# Allegro board FEE5_10_30.brd (continued)
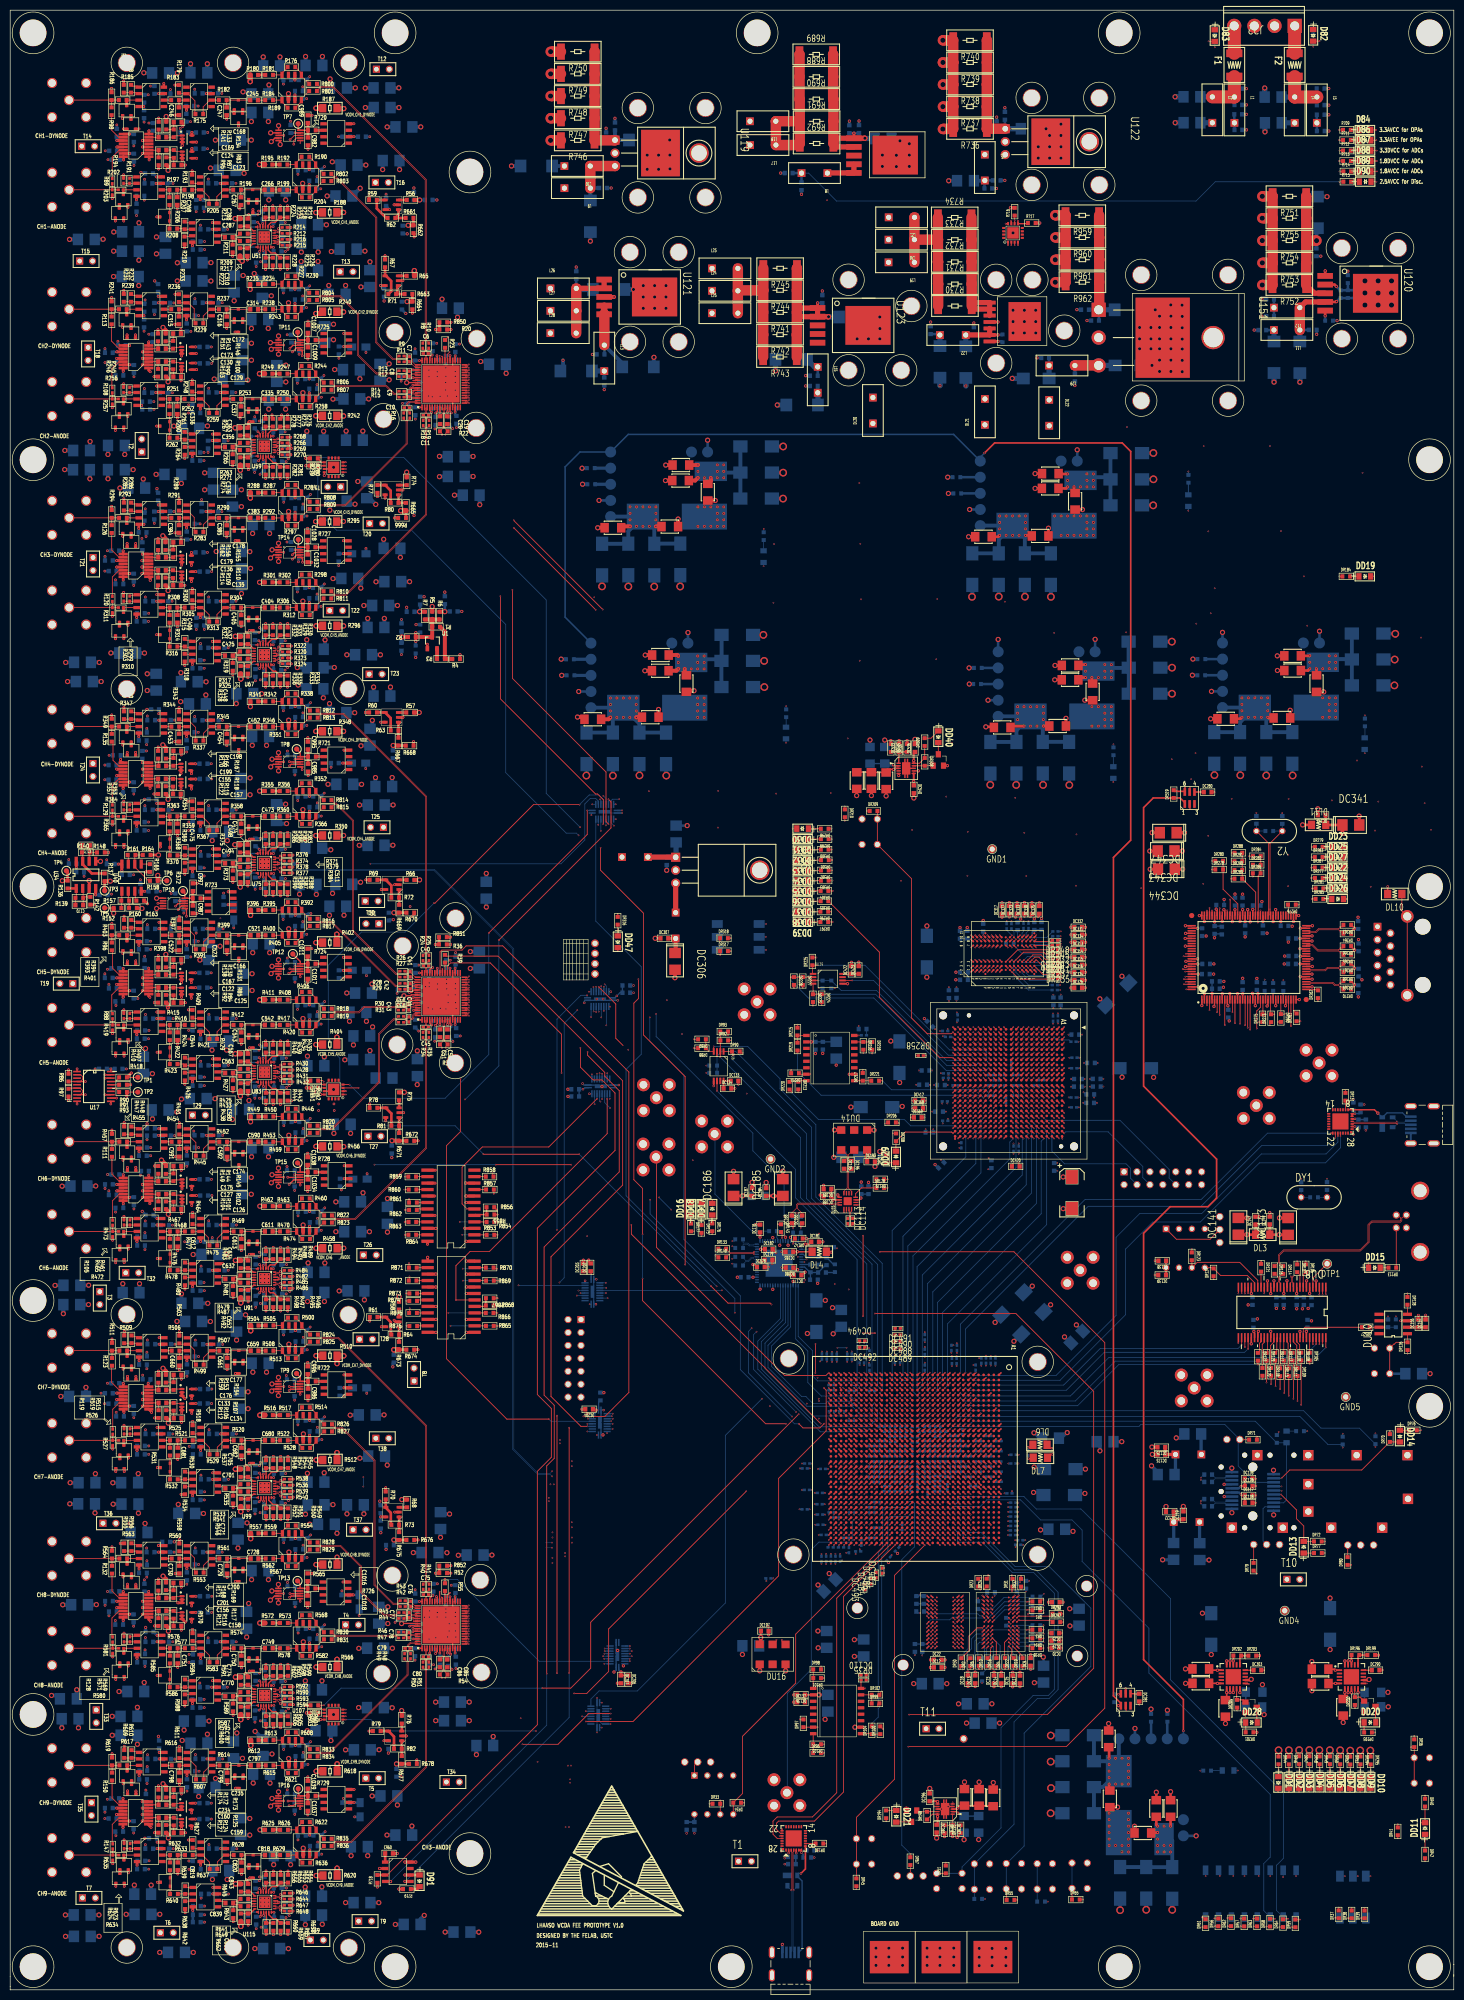
[diagram p0: board, top side]
## Placement (name value [footprint] x y rotation side) (continued)
C1017  0.1uF  [SC0603]  58.45 199.29 270 top
C1018  0.1uF  [SC0603]  58.42 76.63 270 top
C1019  0.1uF  [SC0603]  55.88 158.53 90 bottom
C1020  0.1uF  [SC0603]  55.14 160.85 0 bottom
C1022  0.1uF  [SC0603]  55.91 35.99 90 bottom
C1023  0.1uF  [SC0603]  55.18 38.45 0 bottom
C1024  0.1uF  [SC0603]  56.81 282 90 bottom
C1025  0.1uF  [SC0603]  55.19 283.53 270 bottom
C1028  0.1uF  [SC0603]  58.42 285.46 270 top
C1029  0.1uF  [SC0603]  64.79 158.52 270 bottom
C1030  0.1uF  [SC0603]  64.54 281.23 270 bottom
C1031  4.7uF  [STC3216]  68.5 281.99 0 bottom
C1032  0.1uF  [SC0603]  58.43 281.08 270 top
C1033  4.7uF  [STC3216]  68.72 159.18 0 bottom
C1034  0.1uF  [SC0603]  58.45 158.37 90 top
C1035  0.1uF  [SC0603]  65.99 36.75 180 bottom
C1036  4.7uF  [STC3216]  68.74 35.36 270 bottom
C1037  0.1uF  [SC0603]  58.47 35.9 90 top
C1038  0.1uF  [SC0603]  58.44 162.74 90 top
C1039  0.1uF  [SC0603]  58.46 40.27 90 top
C1050  0.1uF  [SC0603]  180.81 325.88 90 bottom
C1051  47uF  [SD7344MM]  187.73 319.62 270 bottom
C1052  0.1uF  [SC0603]  189.3 325.71 90 bottom
C1053  47uF  [SD7344MM]  182.64 319.66 270 bottom
C1100  0.1uF  [SC0603]  213.12 327.78 180 bottom
C1101  47u  [SD7344MM]  220.06 329.89 0 bottom
C1102  0.1uF  [SC0603]  211.14 329.9 180 bottom
C1103  0.1uF  [SC0603]  209.15 316.62 270 bottom
C1104  22u  [STC6032]  219.6 318.97 0 bottom
C1105  22u  [STC6032]  201.55 316.41 180 bottom
C1106  0.1uF  [SC0603]  203.31 320.45 180 bottom
D1  MA147  [SOT23_MC]  22.88 369.02 90 top
D2  MA147  [SOT23_MC]  44.82 370.15 90 top
D3  MA147  [SOT23_MC]  23.74 366.35 90 top
D4  MA147  [SOT23_MC]  44.85 367.51 270 top
D5  MA147  [SOT23_MC]  22.23 351.55 90 top
D6  MA147  [SOT23_MC]  47.62 352.54 90 top
D7  MA147  [SOT23_MC]  47.66 349.89 270 top
D8  MA147  [SOT23_MC]  21.44 348.9 90 top
D9  MA147  [SOT23_MC]  30.35 348.13 180 top
D10  MA147  [SOT23_MC]  22.89 327.95 90 top
D11  MA147  [SOT23_MC]  44.83 329.08 90 top
D12  MA147  [SOT23_MC]  23.75 325.28 90 top
D13  MA147  [SOT23_MC]  44.86 326.44 270 top
D14  MA147  [SOT23_MC]  22.24 310.48 90 top
D15  MA147  [SOT23_MC]  47.63 311.48 90 top
D16  MA147  [SOT23_MC]  21.45 307.83 90 top
D17  MA147  [SOT23_MC]  47.67 308.82 270 top
D18  MA147  [SOT23_MC]  30.36 307.06 180 top
D19  MA147  [SOT23_MC]  22.91 286.98 90 top
D20  MA147  [SOT23_MC]  44.85 288.11 90 top
D21  MA147  [SOT23_MC]  23.77 284.31 90 top
D22  MA147  [SOT23_MC]  44.88 285.47 270 top
D23  MA147  [SOT23_MC]  22.26 269.51 90 top
D24  MA147  [SOT23_MC]  47.65 270.51 90 top
D25  MA147  [SOT23_MC]  47.68 267.85 270 top
D26  MA147  [SOT23_MC]  21.47 266.86 90 top
D27  MA147  [SOT23_MC]  30.38 266.09 180 top
D28  MA147  [SOT23_MC]  22.92 245.99 90 top
D29  MA147  [SOT23_MC]  44.86 247.12 90 top
D30  MA147  [SOT23_MC]  23.78 243.33 90 top
D31  MA147  [SOT23_MC]  44.89 244.49 270 top
D32  MA147  [SOT23_MC]  22.27 228.53 90 top
D33  MA147  [SOT23_MC]  47.66 229.52 90 top
D34  MA147  [SOT23_MC]  47.7 226.87 270 top
D35  MA147  [SOT23_MC]  21.48 225.88 90 top
D36  MA147  [SOT23_MC]  30.4 225.09 180 top
D37  MA147  [SOT23_MC]  22.94 205.02 90 top
D38  MA147  [SOT23_MC]  44.88 206.15 90 top
D39  MA147  [SOT23_MC]  23.8 202.36 90 top
D40  MA147  [SOT23_MC]  44.91 203.52 270 top
D41  MA147  [SOT23_MC]  22.29 187.56 90 top
D42  MA147  [SOT23_MC]  47.68 188.55 90 top
D43  MA147  [SOT23_MC]  47.72 185.9 270 top
D44  MA147  [SOT23_MC]  21.5 184.91 90 top
D45  MA147  [SOT23_MC]  30.41 184.11 180 top
D46  MA147  [SOT23_MC]  22.96 164.48 90 top
D47  MA147  [SOT23_MC]  44.9 165.61 90 top
D48  MA147  [SOT23_MC]  23.82 161.81 90 top
D49  MA147  [SOT23_MC]  44.93 162.97 270 top
D50  MA147  [SOT23_MC]  22.31 147.01 90 top
D51  MA147  [SOT23_MC]  47.7 148 90 top
D52  MA147  [SOT23_MC]  21.52 144.36 90 top
D53  MA147  [SOT23_MC]  47.74 145.35 270 top
D54  MA147  [SOT23_MC]  30.43 143.6 180 top
D55  MA147  [SOT23_MC]  22.97 123.45 90 top
D56  MA147  [SOT23_MC]  44.91 124.58 90 top
D57  MA147  [SOT23_MC]  23.83 120.78 90 top
D58  MA147  [SOT23_MC]  44.95 121.94 270 top
D59  MA147  [SOT23_MC]  22.33 105.98 90 top
D60  MA147  [SOT23_MC]  47.72 106.98 90 top
D61  MA147  [SOT23_MC]  47.75 104.33 270 top
D62  MA147  [SOT23_MC]  21.54 103.34 90 top
D63  MA147  [SOT23_MC]  30.45 102.54 180 top
D64  MA147  [SOT23_MC]  22.97 82.63 90 top
D65  MA147  [SOT23_MC]  44.91 83.76 90 top
D66  MA147  [SOT23_MC]  23.82 79.96 90 top
D67  MA147  [SOT23_MC]  44.94 81.12 270 top
D68  MA147  [SOT23_MC]  22.32 65.16 90 top
D69  MA147  [SOT23_MC]  47.71 66.16 90 top
D70  MA147  [SOT23_MC]  47.74 63.51 270 top
D71  MA147  [SOT23_MC]  21.53 62.51 90 top
D72  MA147  [SOT23_MC]  30.41 61.73 180 top
D73  MA147  [SOT23_MC]  22.98 42.02 90 top
D74  MA147  [SOT23_MC]  44.92 43.15 90 top
D75  MA147  [SOT23_MC]  23.84 39.35 90 top
D76  MA147  [SOT23_MC]  44.96 40.51 270 top
D77  MA147  [SOT23_MC]  22.34 24.55 90 top
D78  MA147  [SOT23_MC]  47.73 25.55 90 top
D79  MA147  [SOT23_MC]  47.76 22.89 270 top
D80  MA147  [SOT23_MC]  21.55 21.9 90 top
D81  MA147  [SOT23_MC]  30.47 21.13 180 top
D82  LED  [SD0805]  255.96 383.79 270 top
D83  LED  [SD0805]  236.62 383.75 270 top
D84  LED  [SD0805]  266.13 365.21 0 top
D86  LED  [SD0805]  266.14 363.19 0 top
D87  LED  [SD0805]  266.15 361.16 0 top
D88  LED  [SD0805]  266.16 359.11 0 top
D89  LED  [SD0805]  266.17 357.07 0 top
D90  LED  [SD0805]  266.17 355.05 0 top
D91  LED  [SD0805]  80.42 21.41 270 top
DC1  0.1uF  [SC0603]  190.1 75.54 270 bottom
DC2  0.1uF  [SC0603]  178.02 76.55 270 bottom
DC3  0.1uF  [SC0603]  179.17 67.14 90 bottom
DC4  0.1uF  [SC0603]  177.72 67.13 90 bottom
DC5  0.1uF  [SC0603]  179.45 76.56 270 bottom
DC6  10uF  [STC3528]  191.12 52.37 0 bottom
DC7  0.1uF  [SC0603]  197.75 79 270 bottom
DC8  0.1uF  [SC0603]  192.68 78.05 180 bottom
DC9  0.1uF  [SC0603]  200.45 64.39 90 top
DC10  0.1uF  [SC0603]  199.54 79.54 270 bottom
DC11  10uF  [STC3528]  180.74 60.12 0 bottom
DC12  0.1uF  [SC0603]  182.21 63.31 0 top
DC13  0.1uF  [SC0603]  189.57 60.97 90 top
DC14  0.1uF  [SC0603]  194.69 60.93 90 top
DC15  0.1uF  [SC0603]  196.93 60.92 90 top
DC16  10uF  [STC3528]  203.01 61.99 270 bottom
DC17  0.1uF  [SC0603]  198.36 60.93 90 top
DC18  0.1uF  [SC0603]  188.14 60.97 90 top
DC19  0.1uF  [SC0603]  205.33 68.59 180 top
DC20  0.1uF  [SC0603]  205.32 67.16 180 top
DC21  10uF  [STC3528]  189.57 56.16 0 bottom
DC22  0.1uF  [SC0603]  182.22 64.78 0 top
DC23  0.1uF  [SC0603]  193.26 60.93 90 top
DC24  0.1uF  [SC0603]  205.41 76.12 180 top
DC25  0.1uF  [SC0603]  205.32 70.04 180 top
DC26  10uF  [STC3528]  209.96 73.17 90 bottom
DC27  0.1uF  [SC0603]  178.75 74.29 0 bottom
DC28  1uF  [SC0603]  132.89 32.19 270 bottom
DC29  0.1uF  [SC0603]  134.4 32.18 270 bottom
DC30  330UF  [TANT-D]  158.37 132.28 90 bottom
DC31  330UF  [TANT-D]  196.9 134.77 45 bottom
DC32  330UF  [TANT-D]  200.81 130.9 45 bottom
DC33  0.22UF  [SC0402]  193.55 123.54 90 bottom
DC34  0.22UF  [SC0402]  192.61 123.55 90 bottom
DC35  0.22UF  [SC0402]  174.21 86.5 225 bottom
DC36  0.22UF  [SC0402]  187.07 109.51 270 bottom
DC37  47UF  [STC3528]  209.53 128.17 45 bottom
DC38  2.2UF  [SC0402]  180.96 104.77 0 bottom
DC39  2.2UF  [SC0402]  170.32 105.78 180 bottom
DC40  2.2UF  [SC0402]  175.34 103.74 0 bottom
DC41  2.2UF  [SC0402]  172.2 104.76 0 bottom
DC42  0.22UF  [SC0402]  186.19 103.73 0 bottom
DC43  0.22UF  [SC0402]  184.09 101.73 0 bottom
DC44  0.22UF  [SC0402]  184.06 107.77 0 bottom
DC45  0.22UF  [SC0402]  177.21 105.68 270 bottom
DC46  0.22UF  [SC0402]  169.06 100.73 180 bottom
DC47  2.2UF  [SC0402]  185.3 108.78 0 bottom
DC48  2.2UF  [SC0402]  179.67 122.16 90 bottom
DC49  2.2UF  [SC0402]  189.66 122.19 90 bottom
DC50  2.2UF  [SC0402]  185 123.47 90 bottom
DC51  0.22UF  [SC0402]  178.24 102.96 90 bottom
DC52  0.22UF  [SC0402]  177.21 100.84 270 bottom
DC53  0.22UF  [SC0402]  177.71 107.52 180 bottom
DC54  0.22UF  [SC0402]  173.33 110.59 0 bottom
DC55  0.22UF  [SC0402]  171.15 110.59 0 bottom
DC56  0.22UF  [SC0402]  175.5 110.6 0 bottom
DC57  0.22UF  [SC0402]  174.39 109.59 0 bottom
DC58  0.22UF  [SC0402]  172.22 109.59 0 bottom
DC59  0.22UF  [SC0402]  177.73 110.54 0 bottom
DC60  330UF  [TANT-D]  206.08 97.16 0 bottom
DC61  4.7UF  [SC0402]  190.14 103.73 0 bottom
DC62  4.7UF  [SC0402]  188.24 104.78 0 bottom
DC63  4.7UF  [SC0402]  187.17 102.73 180 bottom
DC64  0.22UF  [SC0402]  161.43 124.32 90 bottom
DC65  0.22UF  [SC0402]  162.38 124.32 90 bottom
DC66  0.22UF  [SC0402]  160.41 124.36 90 bottom
DC67  0.22UF  [SC0402]  159.46 124.35 90 bottom
DC68  4.7UF  [SC0402]  190.21 105.77 0 bottom
DC69  2.2UF  [SC0402]  170.1 99.72 180 bottom
DC70  2.2UF  [SC0402]  171.22 100.74 180 bottom
DC71  2.2UF  [SC0402]  173.39 100.74 180 bottom
DC72  2.2UF  [SC0402]  175.55 100.74 180 bottom
DC73  2.2UF  [SC0402]  175.28 101.74 0 bottom
DC74  2.2UF  [SC0402]  170.17 101.74 180 bottom
DC75  0.22UF  [SC0402]  190.11 101.73 0 bottom
DC76  0.22UF  [SC0402]  190.22 107.76 0 bottom
DC77  0.22UF  [SC0402]  187.25 106.77 180 bottom
DC78  0.22UF  [SC0402]  188.18 100.73 0 bottom
DC79  0.22UF  [SC0402]  171.42 102.74 180 bottom
DC80  0.22UF  [SC0402]  174.14 102.73 0 bottom
DC81  0.22UF  [SC0402]  176.3 102.74 0 bottom
DC82  0.22UF  [SC0402]  185.06 106.77 0 bottom
DC83  2.2UF  [SC0402]  160.29 84.62 270 bottom
DC84  2.2UF  [SC0402]  161.22 84.64 270 bottom
DC85  2.2UF  [SC0402]  159.8 89.33 180 bottom
DC86  2.2UF  [SC0402]  164.77 86.34 270 bottom
DC87  47UF  [STC3528]  204.37 108.33 0 bottom
DC88  47UF  [STC3528]  215.08 107.62 0 bottom
DC89  47UF  [STC3528]  160.97 79.39 225 bottom
DC90  47UF  [STC3528]  163.26 131.85 90 bottom
DC91  330UF  [TANT-D]  206.19 102.24 0 bottom
DC92  4.7UF  [SC0402]  192.2 100.75 0 bottom
DC93  4.7UF  [SC0402]  197.08 103.35 0 bottom
DC94  4.7UF  [SC0402]  192.1 102.74 0 bottom
DC95  4.7UF  [SC0402]  194.18 101.73 0 bottom
DC96  0.22UF  [SC0402]  194.21 99.77 0 bottom
DC97  0.22UF  [SC0402]  194.11 103.73 0 bottom
DC98  0.22UF  [SC0402]  194.17 107.76 0 bottom
DC99  0.22UF  [SC0402]  192.15 104.78 0 bottom
DC100  0.22UF  [SC0402]  194.17 105.78 0 bottom
DC101  0.22UF  [SC0402]  192.12 108.77 0 bottom
DC102  0.22UF  [SC0402]  192.15 106.77 0 bottom
DC103  0.22UF  [SC0402]  197.11 105.06 0 bottom
DC104  47UF  [STC3528]  205.59 90.44 0 bottom
DC105  2.2UF  [SC0402]  197.02 90.2 0 bottom
DC106  0.22UF  [SC0402]  197.03 91.09 0 bottom
DC107  47UF  [STC3528]  160.39 68.81 270 bottom
DC108  2.2UF  [SC0402]  197.04 92.01 0 bottom
DC109  0.22UF  [SC0402]  197.05 92.94 0 bottom
DC110  120PF  [SC0402]  167.65 61.8 180 top
DC113  0.1uF  [SC0402]  164.56 150.96 90 top
DC114  0.1uF  [SC0402]  165.49 150.96 90 top
DC117  0.1uF  [SC0603]  243.3 97.07 0 top
DC118  1uF  [SC0603]  243.28 95.65 0 top
DC119  0.1uF  [SC0603]  230.47 93.18 90 top
DC120  10uF  [STC3528]  228.54 86.09 270 bottom
DC121  10uF  [STC3528]  233.68 86.05 270 bottom
DC122  0.1uF  [SC0603]  227.8 93.89 180 top
DC123  0.1uF  [SC0603]  226.14 105.12 180 top
DC124  10uF  [STC3528]  227.08 101.18 180 bottom
DC125  0.1uF  [SC0603]  226.13 106.56 180 top
DC126  1uF  [SC0603]  243.28 100.37 0 top
DC127  10uF  [STC3528]  232.3 109.16 180 bottom
DC128  0.1uF  [SC0603]  243.3 98.91 0 top
DC129  0.1uF  [SC0603]  235.33 96.36 0 bottom
DC130  0.1uF  [SC0603]  235.33 99.74 0 bottom
DC131  0.1uF  [SC0603]  235.33 94.95 180 bottom
DC132  0.1uF  [SC0603]  235.33 101.17 0 bottom
DC133  1uF  [SC0603]  142.29 178.47 0 top
DC134  0.1uF  [SC0603]  140.9 176.99 0 top
DC135  10uF  [STC3528]  160.62 56.27 270 bottom
DC136  0.1uF  [SC0603]  155.36 57.92 180 top
DC137  0.01uF  [SC0603]  155.36 56.49 0 top
DC138  1uF  [SC0603]  226.31 143.15 180 top
DC139  0.1uF  [SC0603]  226.29 140.36 180 top
DC140  22 pF  [SC0603]  258.67 157.84 270 bottom
DC141  10uF  [STC3528]  241.27 149.92 90 top
DC142  0.1uF  [SC0603]  244.65 151.04 90 top
DC143  10uF  [STC3528]  251.03 149.9 90 top
DC144  0.1uF  [SC0603]  247.43 151.07 90 top
DC145  22 pF  [SC0603]  253.6 157.81 270 bottom
DC146  0.01uF  [SC0603]  252.72 135.24 270 bottom
DC147  1uF  [SC0603]  254.13 135.23 270 bottom
DC148  0.01uF  [SC0603]  250.18 135.23 270 bottom
DC149  1uF  [SC0603]  248.73 135.22 270 bottom
DC150  10uF  [STC3528]  275.71 120.99 0 bottom
DC151  1uF  [SC0603]  270.66 130.88 90 bottom
DC152  0.01uF  [SC0603]  255.64 135.21 270 bottom
DC153  1uF  [SC0603]  244.22 130.78 90 bottom
DC154  0.01uF  [SC0603]  254.84 130.8 90 bottom
DC155  1uF  [SC0603]  244.03 135.25 270 bottom
DC156  1uF  [SC0603]  276.61 130.87 90 top
DC157  0.01uF  [SC0603]  278.04 130.87 90 top
DC158  1uF  [SC0603]  153.55 26.1 180 bottom
DC159  1uF  [SC0603]  156.58 25.98 0 bottom
DC160  0.1uF  [SC0603]  157.2 27.38 180 bottom
DC161  0.1uF  [SC0603]  153.56 24.68 0 bottom
DC162  0.1uF  [SC0603]  265.27 173.08 270 bottom
DC163  0.1uF  [SC0603]  263.85 173.46 270 bottom
DC164  1uF  [SC0603]  264.85 170.12 270 bottom
DC165  1uF  [SC0603]  266.31 170.13 270 bottom
DC166  0.1u  [SC0603]  155.57 151.27 90 top
DC167  0.1uF  [SC0603]  155.32 151.02 270 bottom
DC168  0.1u  [SC0603]  153.54 151.28 90 top
DC169  0.1uF  [SC0603]  153.79 151.02 270 bottom
DC170  0.1u  [SC0603]  161.06 145.83 180 bottom
DC171  1500pF  [SC0603]  160.37 143.05 90 bottom
DC172  2200pF  [SC0603]  157.2 141.65 270 bottom
DC173  open  [SC0603]  159.47 140.85 180 bottom
DC174  220nF  [SC0603]  157.88 139.44 0 bottom
DC175  0.01uF  [SC0603]  144.27 139.93 180 bottom
DC176  1uF  [SC0603]  147.31 149.49 90 top
DC177  0.01uF  [SC0603]  154.68 140.35 180 top
DC178  1uF  [SC0603]  147.46 141.92 0 top
DC179  0.01uF  [SC0603]  148.96 143.34 0 top
DC180  1uF  [SC0603]  153.11 141.81 180 top
DC181  0.01uF  [SC0603]  158.12 146.88 0 top
DC182  1uF  [SC0603]  149.02 145.42 0 top
DC183  0.1uF  [SC0603]  153.06 144.92 180 top
DC184  0.1uF  [SC0603]  148.5 156.66 90 top
DC185  10uF  [STC3528]  151.78 157.53 90 top
DC186  10uF  [STC3528]  142.1 157.54 90 top
DC187  0.1uF  [SC0603]  145.74 156.67 90 top
DC188  0.01uF  [SC0603]  160.55 155.83 180 top
DC189  0.1uF  [SC0603]  160.56 157.26 180 top
DC190  0.1uF  [SC0603]  167.18 157.01 90 bottom
DC191  0.01uF  [SC0603]  168.61 157.02 90 bottom
DC192  0.1uF  [SC0603]  170.06 163.62 0 bottom
DC193  0.01uF  [SC0603]  169.11 162.63 0 top
DC194  10uF  [STC3528]  164.94 163.48 180 bottom
DC195  0.1uF  [SC0603]  163.81 161.99 270 top
DC196  0.1uF  [SC0603]  165.24 161.99 270 top
DC197  0.1uF  [SC0603]  148.23 70.47 0 top
DC198  0.01uF  [SC0603]  148.2 70.44 0 bottom
DC199  10uF  [STC3528]  145.49 67.54 180 bottom
DC200  0.1uF  [SC0603]  110.99 176.83 180 bottom
DC201  0.1uF  [SC0603]  110.99 175.43 180 bottom
DC202  0.1uF  [SC0603]  114.03 141.87 90 top
DC203  0.1uF  [SC0603]  112.6 141.86 90 top
DC204  0.1uF  [SC0603]  113.72 114.01 180 top
DC205  0.1uF  [SC0603]  115.95 116.5 90 bottom
DC206  0.1uF  [SC0603]  121.39 60.97 270 top
DC207  0.1uF  [SC0603]  119.97 60.97 270 top
DC208  470UF  [TANT-D]  266.65 266.32 0 bottom
DC209  10UF  [1206]  251.91 261.94 180 top
DC210  10UF  [1206]  251.92 259.06 180 top
DC211  470UF  [TANT-D]  266.66 261.23 0 bottom
DC212  470UF  [TANT-D]  266.66 256.14 0 bottom
DC213  10UF  [1206]  256.62 256.49 270 top
DC214  680UF  [TANT-D]  246.75 243.87 270 bottom
DC215  680UF  [TANT-D]  241.6 243.86 270 bottom
DC216  680UF  [TANT-D]  251.87 243.86 270 bottom
DC217  680UF  [TANT-D]  236.52 243.86 270 bottom
DC218  10UF  [1206]  249.81 249.75 0 top
DC219  10UF  [1206]  238.77 249.58 180 top
DC220  470UF  [TANT-D]  146.54 303.06 0 bottom
DC222  470UF  [TANT-D]  146.54 297.93 0 bottom
DC223  470UF  [TANT-D]  146.53 292.83 0 bottom
DC224  10UF  [1206]  131.69 296.36 180 top
DC225  10UF  [1206]  137.04 294.08 270 top
DC226  680UF  [TANT-D]  126.53 280.85 270 bottom
DC227  10UF  [1206]  118.4 287.1 180 top
DC228  10UF  [1206]  129.57 287.33 0 top
DC229  680UF  [TANT-D]  121.43 280.87 270 bottom
DC230  680UF  [TANT-D]  131.64 280.88 270 bottom
DC231  680UF  [TANT-D]  116.28 280.85 270 bottom
DC232  470UF  [TANT-D]  228.27 20.99 270 bottom
DC233  470UF  [TANT-D]  218.03 21.01 270 bottom
DC234  470UF  [TANT-D]  223.16 21.01 270 bottom
DC235  10UF  [1206]  222.5 30.79 180 top
DC236  10UF  [1206]  225.14 35.61 90 top
DC237  10UF  [1206]  227.95 35.61 90 top
DC238  680UF  [TANT-D]  209.79 50 180 bottom
DC239  680UF  [TANT-D]  209.79 44.89 180 bottom
DC240  680UF  [TANT-D]  209.8 34.67 180 bottom
DC241  680UF  [TANT-D]  209.8 39.8 180 bottom
DC242  10UF  [1206]  216.01 37.51 270 top
DC243  10UF  [1206]  215.78 49.28 90 top
DC244  10UF  [1206]  208.22 260.06 180 top
DC245  10UF  [1206]  208.2 257.24 180 top
DC246  10UF  [1206]  212.63 254.87 270 top
DC247  470UF  [TANT-D]  142.84 266.06 0 bottom
DC248  470UF  [TANT-D]  142.82 260.96 0 bottom
DC249  470UF  [TANT-D]  142.82 255.82 0 bottom
DC250  680UF  [TANT-D]  113.23 243.78 270 bottom
DC251  680UF  [TANT-D]  118.39 243.78 270 bottom
DC252  680UF  [TANT-D]  123.61 243.78 270 bottom
DC253  680UF  [TANT-D]  128.83 243.77 270 bottom
DC254  10UF  [1206]  114.44 249.49 180 top
DC255  10UF  [1206]  125.74 249.89 0 top
DC256  10UF  [1206]  209.19 292.3 270 top
DC257  470UF  [TANT-D]  219.25 301.75 0 bottom
DC258  470UF  [TANT-D]  219.25 296.59 0 bottom
DC259  10UF  [1206]  204.33 297.73 180 top
DC260  10UF  [1206]  204.3 294.83 180 top
DC261  10UF  [1206]  191.19 285.33 180 top
DC262  470UF  [TANT-D]  219.25 291.5 0 bottom
DC263  680UF  [TANT-D]  189 278.97 270 bottom
DC264  680UF  [TANT-D]  194.2 278.97 270 bottom
DC265  680UF  [TANT-D]  199.32 278.97 270 bottom
DC266  680UF  [TANT-D]  204.43 278.97 270 bottom
DC267  10UF  [1206]  202.32 285.49 0 top
DC268  470UF  [TANT-D]  222.81 264.73 0 bottom
DC269  10UF  [1206]  127.73 262.11 180 top
DC270  10UF  [1206]  132.84 256.49 270 top
DC271  10UF  [1206]  127.7 259.02 180 top
DC272  10UF  [1206]  194.87 247.88 180 top
DC273  10UF  [1206]  205.76 248.17 0 top
DC274  470UF  [TANT-D]  222.83 259.61 0 bottom
DC275  470UF  [TANT-D]  222.82 254.51 0 bottom
DC276  680UF  [TANT-D]  202.85 241.95 270 bottom
DC277  680UF  [TANT-D]  197.67 241.94 270 bottom
DC278  680UF  [TANT-D]  208.02 241.95 270 bottom
DC279  680UF  [TANT-D]  192.55 241.93 270 bottom
DC280  820PF  [SC0603]  235.23 235.19 0 top
DC281  820PF  [SC0603]  221.79 57.39 270 top
DC282  1nF  [SC0603]  185.13 31.54 270 top
DC283  4.7UF  [SC0603]  181.99 31.66 270 top
DC284  10UF  [1206]  257.34 60.14 180 top
DC285  10UF  [1206]  261.87 55.47 270 top
DC286  10UF  [1206]  267.69 58.41 0 bottom
DC287  10UF  [1206]  267.68 55.57 0 bottom
DC288  470UF  [TANT-D]  259.28 71.85 90 bottom
DC289  10UF  [1206]  257.32 62.95 180 top
DC290  1nF  [SC0603]  268.22 62.77 0 top
DC291  10UF  [1206]  187.39 32.48 270 bottom
DC292  10UF  [1206]  190.25 32.49 270 bottom
DC293  10UF  [1206]  187.47 37.8 90 top
DC294  10UF  [1206]  190.34 37.78 90 top
DC295  10UF  [1206]  193.11 37.69 90 top
DC296  0.1uF  [SC0603]  180.62 37.79 90 top
DC297  10UF  [1206]  238.73 55.26 270 top
DC298  10UF  [1206]  233.88 60.18 180 top
DC299  10UF  [1206]  244.32 55.53 0 bottom
DC300  10UF  [1206]  244.36 58.46 0 bottom
DC301  470UF  [TANT-D]  235.93 70.85 90 bottom
DC302  10UF  [1206]  233.88 63 180 top
DC303  4.7nF  [SC0603]  245.01 62.76 0 top
DC304  0.1uF  [SC0603]  128.98 221.64 90 bottom
DC305  10uF  [STC3528]  130.82 226.96 90 bottom
DC306  47uF  [STC3528]  130.61 201.95 270 top
DC307  0.1uF  [SC0603]  128.5 206.47 0 top
DC308  120PF  [SC0603]  167.45 188.66 180 bottom
DC309  10uF  [STC3528]  162.27 184.51 270 bottom
DC310  0.1uF  [SC0603]  158.18 185.38 270 bottom
DC311  0.01uF  [SC0603]  159.64 185.39 90 bottom
DC312  0.1uF  [SC0603]  197.89 208.84 90 bottom
DC313  0.1uF  [SC0603]  209.78 204.26 0 top
DC314  0.1uF  [SC0603]  209.78 202.75 0 top
DC315  0.1uF  [SC0603]  209.79 201.26 0 top
DC316  0.1uF  [SC0603]  209.8 199.79 0 top
DC317  0.1uF  [SC0603]  194.83 212.04 90 top
DC318  0.1uF  [SC0603]  188.01 207.18 90 bottom
DC319  0.1uF  [SC0603]  186.59 207.17 90 bottom
DC320  0.1uF  [SC0603]  187.35 199.8 180 bottom
DC321  0.1uF  [SC0603]  187.36 198.33 180 bottom
DC322  0.1uF  [SC0603]  191.14 208.56 90 bottom
DC323  0.1uF  [SC0603]  197.79 212.05 90 top
DC324  0.1uF  [SC0603]  209.81 198.25 0 top
DC325  0.1uF  [SC0603]  202.17 212.05 90 top
DC326  0.1uF  [SC0603]  209.79 196.76 0 top
DC327  0.1uF  [SC0603]  196.28 212.07 90 top
DC328  0.1uF  [SC0603]  202.6 208.9 90 bottom
DC329  0.1uF  [SC0603]  201.18 208.89 90 bottom
DC330  0.1uF  [SC0603]  200.71 212.05 90 top
DC331  0.1uF  [SC0603]  209.8 207.17 0 top
DC332  0.1uF  [SC0603]  209.79 208.65 0 top
DC333  0.1uF  [SC0603]  199.25 212.06 90 top
DC334  0.1uF  [SC0603]  209.83 205.69 0 top
DC335  0.01uF  [SC0603]  264.79 209.08 270 bottom
DC336  0.01uF  [SC0603]  264.88 204.69 270 bottom
DC337  0.01uF  [SC0603]  264.87 199.75 90 bottom
DC338  0.01uF  [SC0603]  264.81 196.49 90 bottom
DC339  22p  [SC0603]  244.81 229.74 270 bottom
DC340  22p  [SC0603]  249.88 229.73 270 bottom
DC341  10u  [STC3528]  263.37 228.73 0 top
DC342  1000pF  [SC0603]  257.63 230.69 180 top
DC343  10u  [STC3528]  227.07 223.61 180 top
DC344  10u  [STC3528]  227.13 220.05 180 top
DC345  1000pF  [SC0603]  244.86 212.91 0 bottom
DC346  1000pF  [SC0603]  236.6 208.11 270 bottom
DC347  10u  [STC3528]  227.49 227.21 180 top
DC348  1000pF  [SC0603]  242.6 208.23 270 bottom
DC349  1000pF  [SC0603]  237.7 213.02 0 bottom
DC350  0.01uF  [SC0603]  239.29 191.68 90 bottom
DC351  0.01uF  [SC0603]  236.85 196.58 180 bottom
DC352  0.01uF  [SC0603]  234.87 199.45 180 bottom
DC353  0.01uF  [SC0603]  236.84 198.01 180 bottom
DC354  0.01uF  [SC0603]  234.94 201.44 180 bottom
DC355  0.01uF  [SC0603]  244.9 197.1 270 bottom
DC356  0.01uF  [SC0603]  251.88 203 0 bottom
DC357  0.01uF  [SC0603]  234.14 207.69 90 bottom
DC358  0.1uF  [SC0603]  246.09 208.24 90 bottom
DC359  0.1uF  [SC0603]  242.1 197.1 270 bottom
DC360  0.1uF  [SC0603]  251.85 206.45 0 bottom
DC361  0.1uF  [SC0603]  238.01 208.01 90 bottom
DC362  0.1uF  [SC0603]  242.09 213.68 270 bottom
DC363  0.1uF  [SC0603]  250.34 208.92 180 bottom
DC364  0.1uF  [SC0603]  240.6 213.69 270 bottom
DC365  0.1uF  [SC0603]  251.8 201.44 0 bottom
DC366  10uF  [SC0603]  179.33 177.72 0 bottom
DC367  10uF  [SC0603]  209.73 177.35 180 bottom
DC368  10uF  [SC0603]  178.54 173.07 0 top
DC369  10uF  [SC0603]  178.29 171.3 0 top
DC370  10uF  [SC0603]  182.83 177.66 0 bottom
DC371  2.2uF  [SC0402]  192.7 175.58 180 bottom
DC372  2.2uF  [SC0402]  194.82 177.58 180 bottom
DC373  2.2uF  [SC0402]  193.78 178.62 180 bottom
DC374  2.2uF  [SC0402]  197.54 177.58 180 bottom
DC375  2.2uF  [SC0402]  194.86 179.63 180 bottom
DC376  2.2uF  [SC0402]  197.51 179.63 180 bottom
DC377  2.2uF  [SC0402]  197.44 175.6 180 bottom
DC378  470uF  [TANT-D]  170.18 173.32 180 bottom
DC379  470uF  [TANT-D]  220.99 180.97 0 bottom
DC380  10uF  [SC0603]  212.15 174.17 180 bottom
DC381  10uF  [SC0603]  213.43 178.87 180 bottom
DC382  10uF  [SC0603]  213.46 177.37 180 bottom
DC383  2.2uF  [SC0402]  192.67 179.62 180 bottom
DC384  2.2uF  [SC0402]  202.54 178.63 180 bottom
DC385  2.2uF  [SC0402]  201.54 177.57 180 bottom
DC386  2.2uF  [SC0402]  192.66 177.58 180 bottom
DC387  10uF  [SC0603]  179.81 180.53 0 bottom
DC388  470uF  [TANT-D]  180.07 203.86 90 bottom
DC389  10uF  [SC0603]  204.93 194.09 270 bottom
DC390  10uF  [SC0603]  206.35 194.08 270 bottom
DC391  10uF  [SC0603]  185.9 195.55 270 bottom
DC392  2.2uF  [SC0402]  186.12 190.94 270 bottom
DC393  2.2uF  [SC0402]  204.86 190.71 270 bottom
DC394  470uF  [TANT-D]  217.46 195.5 45 bottom
DC395  10uF  [SC0603]  209.75 178.85 180 bottom
DC396  2.2uF  [SC0402]  205.81 190.75 270 bottom
DC397  2.2uF  [SC0402]  183.65 188.28 0 bottom
DC398  10uF  [SC0603]  212.17 175.83 180 bottom
DC399  10uF  [SC0603]  212.3 182 180 bottom
DC400  2.2uF  [SC0402]  209.07 183.04 180 bottom
DC401  2.2uF  [SC0402]  209.02 180.96 180 bottom
DC402  2.2uF  [SC0402]  208.91 175.22 180 bottom
DC403  2.2uF  [SC0402]  208.98 173.28 180 bottom
DC404  10uF  [SC0603]  184.4 195.51 270 bottom
DC405  10uF  [SC0603]  209.23 187.57 180 bottom
DC406  10uF  [SC0603]  182.47 172.45 0 bottom
DC407  10uF  [SC0603]  180.59 168.37 0 bottom
DC408  10uF  [SC0603]  182.92 161.9 45 bottom
DC409  2.2uF  [SC0402]  184.21 187.12 0 bottom
DC410  2.2uF  [SC0402]  183.82 179.95 0 bottom
DC411  2.2uF  [SC0402]  183.81 179.06 0 bottom
DC412  10uF  [SC0603]  178.53 174.6 0 top
DC413  10uF  [SC0603]  180.67 189.64 315 bottom
DC414  10uF  [SC0603]  192.75 162.12 270 bottom
DC415  2.2uF  [SC0402]  183.6 174.45 0 bottom
DC416  2.2uF  [SC0402]  183.68 170.65 0 bottom
DC417  2.2uF  [SC0402]  197.1 165.16 90 bottom
DC418  2.2uF  [SC0402]  198.11 165.16 90 bottom
DC419  2.2uF  [SC0402]  186.84 165.83 90 bottom
DC420  10uF  [SC0603]  197.53 161.68 0 top
DC421  10uF  [SC0603]  205.08 161.59 90 bottom
DC422  0.1uF  [SC0603]  165.26 200.26 90 top
DC423  1uF  [SC0603]  166.71 200.26 90 top
DC424  0.22UF  [SC0402]  182.23 108.6 0 bottom
DC425  0.22UF  [SC0402]  180.21 107.78 0 bottom
DC426  0.22UF  [SC0402]  182.18 106.77 180 bottom
DC427  0.22UF  [SC0402]  178.25 100.8 90 bottom
DC428  0.22UF  [SC0402]  180.01 106.77 180 bottom